# Altium PCB EPS.PcbDoc (part 3 of 11) (continued)
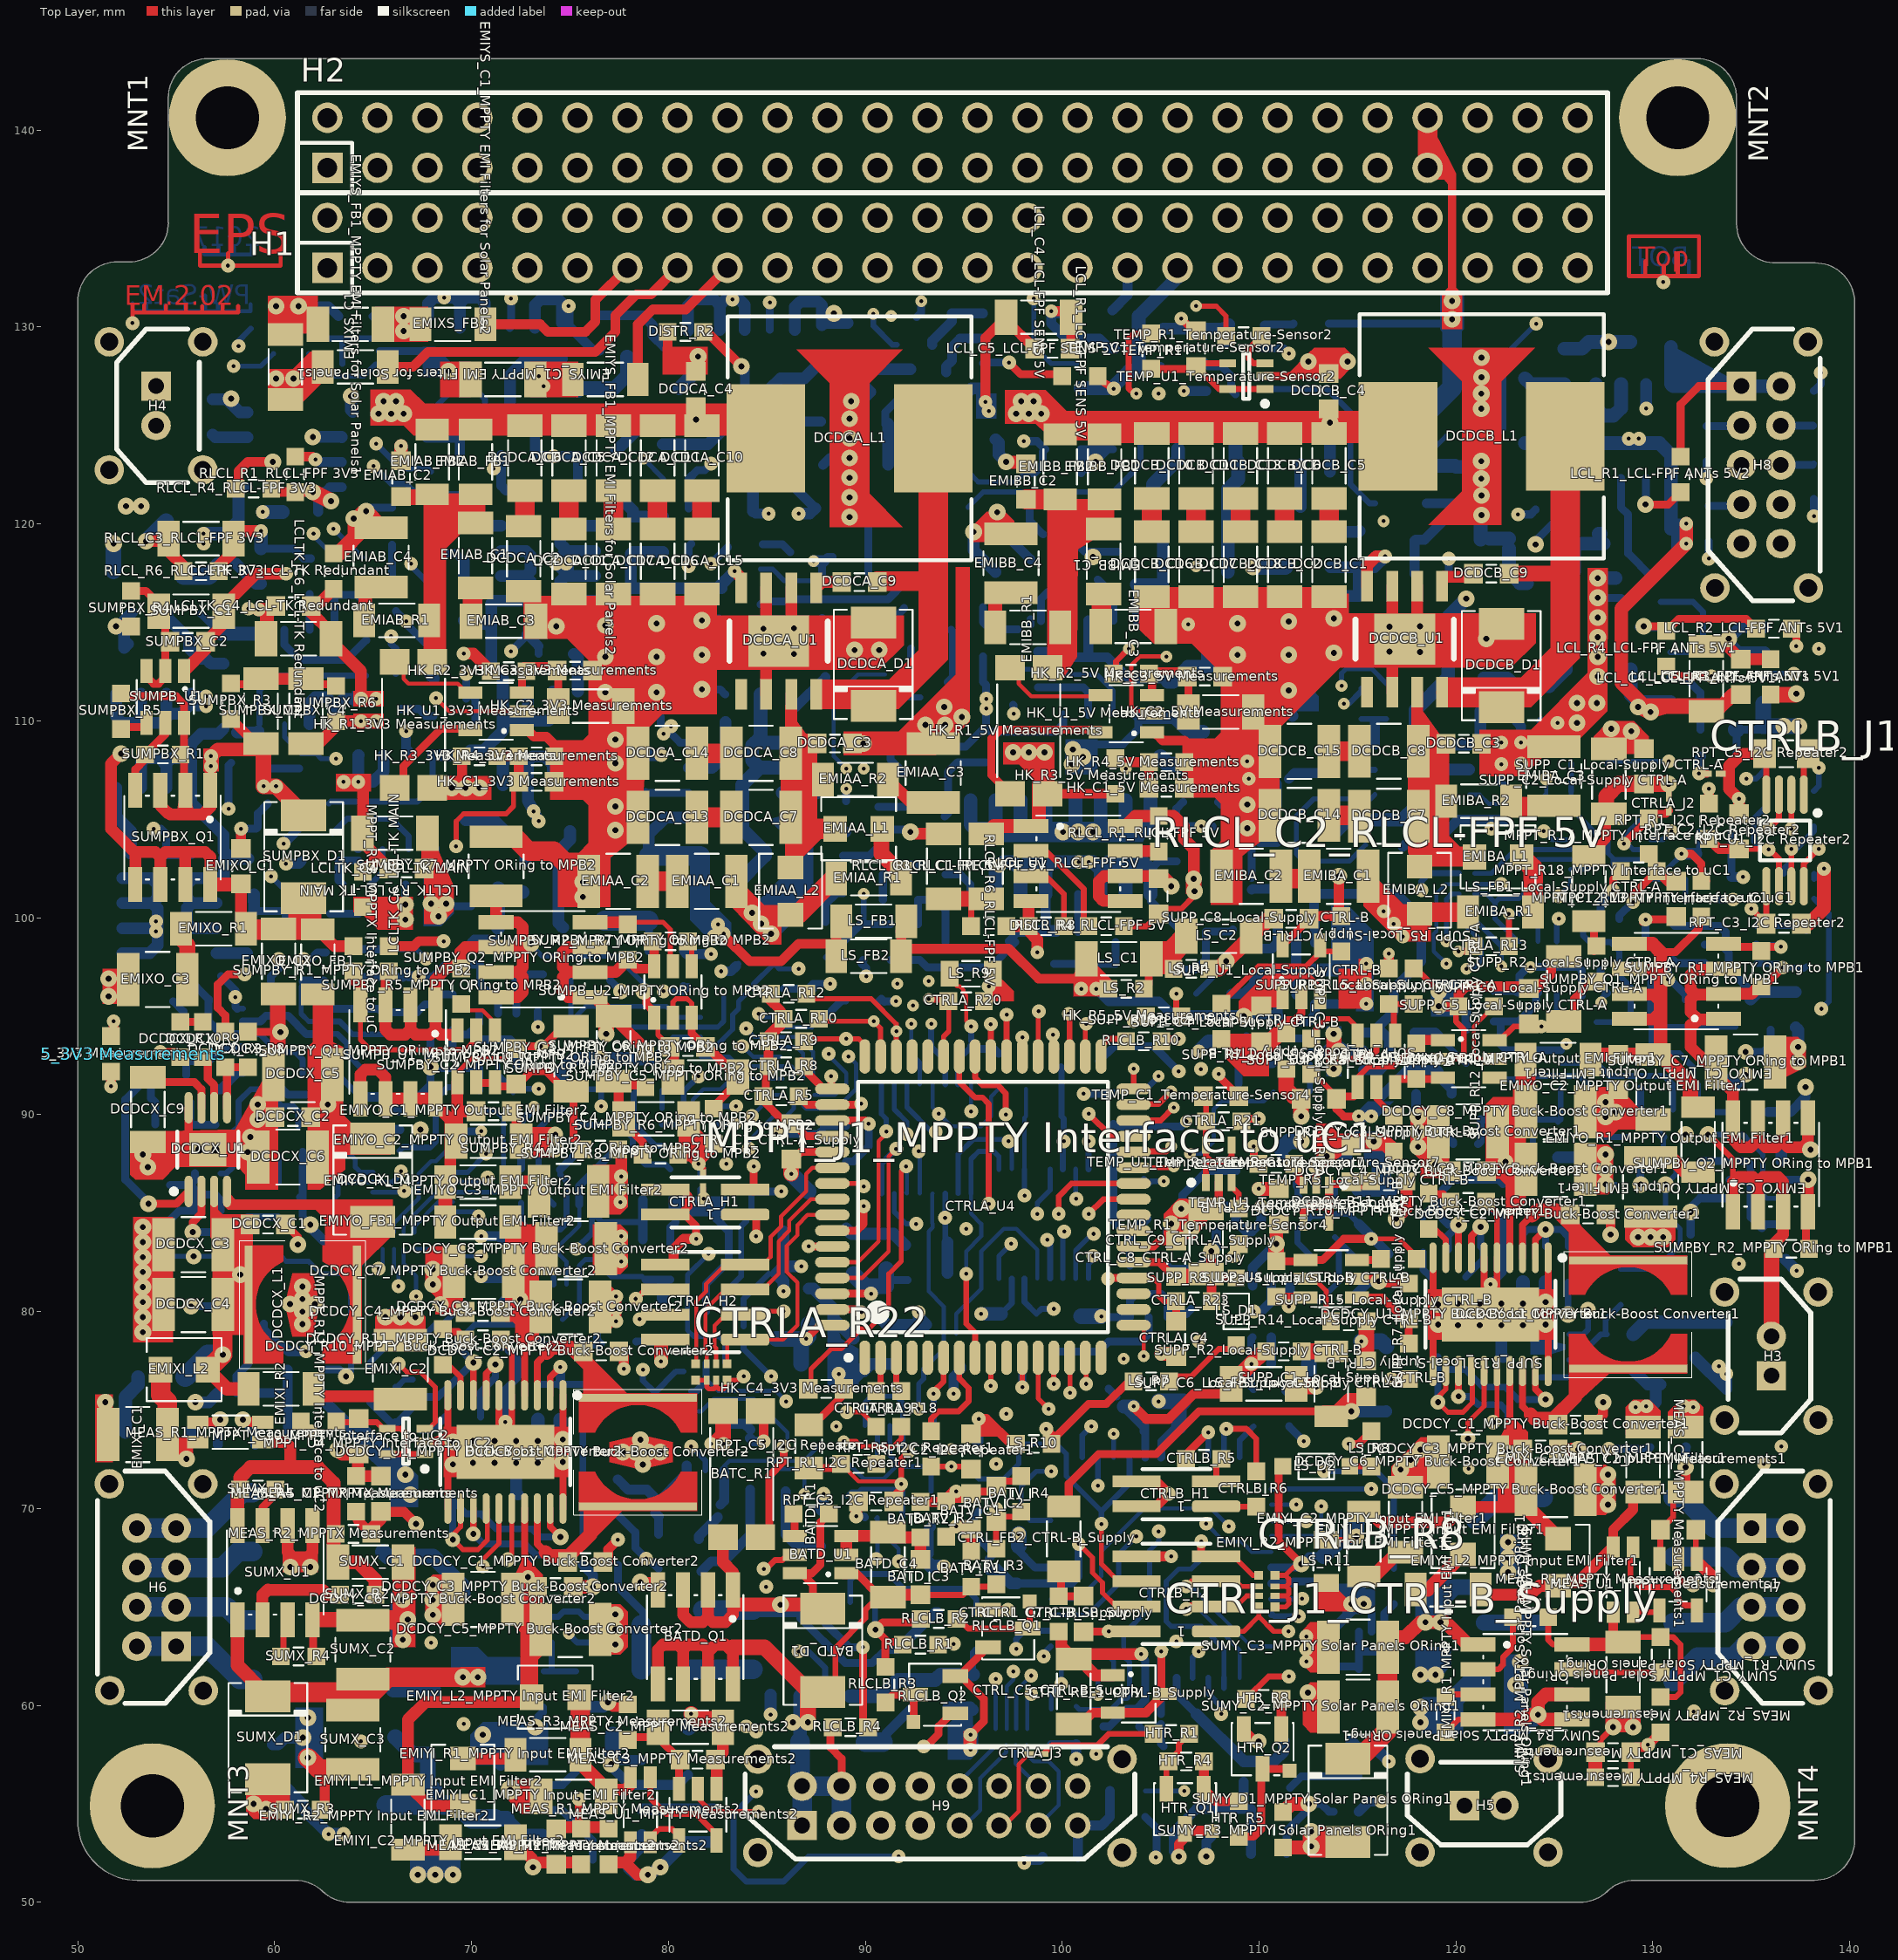
[diagram p0: Top Layer view]
## Components (designator, comment, footprint, x,y, rotation, side; value= is the part's Value field where it differs from the comment) (continued)
"SUMPBY_C7_MPPTY ORing to MPB1" "10u/25V" SMD_Capacitor_1210 134.709,92.672 r0 top (schematic designator SUMPBY_C7)
"SUMPBY_C7_MPPTY ORing to MPB2" "10u/25V" SMD_Capacitor_1210 71.247,102.616 r90 top (schematic designator SUMPBY_C7)
"SUMPBY_Q1_MPPTY ORing to MPB1" "IRF7416" SOIC-8-N_SSSGDDDD 131.191,96.774 r180 top (schematic designator SUMPBY_Q1)
"SUMPBY_Q1_MPPTY ORing to MPB2" "IRF7416" SOIC-8-N_SSSGDDDD 66.256,93.18 r270 top (schematic designator SUMPBY_Q1)
"SUMPBY_Q2_MPPTY ORing to MPB1" "IRF7416" SOIC-8-N_SSSGDDDD 135.979,87.465 r90 top (schematic designator SUMPBY_Q2)
"SUMPBY_Q2_MPPTY ORing to MPB2" "IRF7416" SOIC-8-N_SSSGDDDD 73.622,97.879 r180 top (schematic designator SUMPBY_Q2)
"SUMPBY_R1_MPPTY ORing to MPB1" "100k/1%" SMD_Resistor_0603 135.509,97.409 r90 top (schematic designator SUMPBY_R1)
"SUMPBY_R1_MPPTY ORing to MPB2" "100k/1%" SMD_Resistor_0603 64.897,97.282 r180 top (schematic designator SUMPBY_R1)
"SUMPBY_R2_MPPTY ORing to MPB1" "100k/1%" SMD_Resistor_0603 137.033,83.185 r0 top (schematic designator SUMPBY_R2)
"SUMPBY_R2_MPPTY ORing to MPB2" "100k/1%" SMD_Resistor_0603 77.94,98.768 r90 top (schematic designator SUMPBY_R2)
"SUMPBY_R3_MPPTY ORing to MPB1" "1M/1%" SMD_Resistor_0603 132.169,78.575 r90 bottom (schematic designator SUMPBY_R3)
"SUMPBY_R3_MPPTY ORing to MPB2" "1M/1%" SMD_Resistor_0603 78.829,92.291 r270 top (schematic designator SUMPBY_R3)
"SUMPBY_R4_MPPTY ORing to MPB1" "1k/1%" SMD_Resistor_0603 137.249,95.339 r270 bottom (schematic designator SUMPBY_R4)
"SUMPBY_R4_MPPTY ORing to MPB2" "1k/1%" SMD_Resistor_0603 76.543,88.227 r0 top (schematic designator SUMPBY_R4)
"SUMPBY_R5_MPPTY ORing to MPB1" "470k/1%" SMD_Resistor_0603 137.795,98.425 r90 bottom (schematic designator SUMPBY_R5)
"SUMPBY_R5_MPPTY ORing to MPB2" "470k/1%" SMD_Resistor_0603 69.469,96.52 r270 top (schematic designator SUMPBY_R5)
"SUMPBY_R6_MPPTY ORing to MPB1" "1k/1%" SMD_Resistor_0603 136.868,83.528 r270 bottom (schematic designator SUMPBY_R6)
"SUMPBY_R6_MPPTY ORing to MPB2" "1k/1%" SMD_Resistor_0603 82.296,89.408 r270 top (schematic designator SUMPBY_R6)
"SUMPBY_R7_MPPTY ORing to MPB1" "470k/1%" SMD_Resistor_0603 135.598,88.862 r0 bottom (schematic designator SUMPBY_R7)
"SUMPBY_R7_MPPTY ORing to MPB2" "470k/1%" SMD_Resistor_0603 80.099,98.806 r0 top (schematic designator SUMPBY_R7)
"SUMPBY_R8_MPPTY ORing to MPB1" "1M/1%" SMD_Resistor_0603 128.994,77.94 r270 bottom (schematic designator SUMPBY_R8)
"SUMPBY_R8_MPPTY ORing to MPB2" "1M/1%" SMD_Resistor_0603 79.591,87.973 r0 top (schematic designator SUMPBY_R8)
SUMX_C1 "1u/25V" SMD_Capacitor_1206 64.859,67.272 r0 top
SUMX_C2 "10u/35V" SMD_Capacitor_1210 64.478,62.827 r90 top
SUMX_C3 "10u/35V" SMD_Capacitor_1210 63.97,58.255 r270 top
SUMX_D1 "STPS340U" DO-214AA 59.652,58.382 r270 top
SUMX_R1 "100k/1%" SMD_Resistor_0603 59.144,70.955 r0 top
SUMX_R2 "100k/1%" SMD_Resistor_0603 64.224,65.621 r180 top
SUMX_R3 "22k/1%" SMD_Resistor_0603 61.43,54.699 r0 top
SUMX_R4 "270k/1%" SMD_Resistor_0603 61.214,62.484 r0 top
SUMX_U1 "FPF2700MX" SOIC-8-N 60.033,66.764 r90 top
"SUMY_C1_MPPTY Solar Panels ORing1" "1u/25V" SMD_Capacitor_1206 128.486,61.557 r270 top (schematic designator SUMY_C1)
"SUMY_C1_MPPTY Solar Panels ORing2" "1u/25V" SMD_Capacitor_1206 80.772,54.61 r90 bottom (schematic designator SUMY_C1)
"SUMY_C2_MPPTY Solar Panels ORing1" "10u/35V" SMD_Capacitor_1210 115.024,59.906 r180 top (schematic designator SUMY_C2)
"SUMY_C2_MPPTY Solar Panels ORing2" "10u/35V" SMD_Capacitor_1210 71.209,55.739 r90 bottom (schematic designator SUMY_C2)
"SUMY_C3_MPPTY Solar Panels ORing1" "10u/35V" SMD_Capacitor_1210 115.024,62.954 r180 top (schematic designator SUMY_C3)
"SUMY_C3_MPPTY Solar Panels ORing2" "10u/35V" SMD_Capacitor_1210 68.161,54.167 r270 bottom (schematic designator SUMY_C3)
"SUMY_D1_MPPTY Solar Panels ORing1" "STPS340U" DO-214AA 114.516,55.207 r270 top (schematic designator SUMY_D1)
"SUMY_D1_MPPTY Solar Panels ORing2" "STPS340U" DO-214AA 63.589,54.953 r180 bottom (schematic designator SUMY_D1)
"SUMY_R1_MPPTY Solar Panels ORing1" "100k/1%" SMD_Resistor_0603 130.391,62.573 r270 top (schematic designator SUMY_R1)
"SUMY_R1_MPPTY Solar Panels ORing2" "100k/1%" SMD_Resistor_0603 82.296,53.848 r90 bottom (schematic designator SUMY_R1)
"SUMY_R2_MPPTY Solar Panels ORing1" "100k/1%" SMD_Resistor_0603 123.787,64.478 r180 top (schematic designator SUMY_R2)
"SUMY_R2_MPPTY Solar Panels ORing2" "100k/1%" SMD_Resistor_0603 77.051,52.159 r180 bottom (schematic designator SUMY_R2)
"SUMY_R3_MPPTY Solar Panels ORing1" "22k/1%" SMD_Resistor_0603 111.214,53.683 r90 top (schematic designator SUMY_R3)
"SUMY_R3_MPPTY Solar Panels ORing2" "22k/1%" SMD_Resistor_0603 59.906,57.112 r90 bottom (schematic designator SUMY_R3)
"SUMY_R4_MPPTY Solar Panels ORing1" "270k/1%" SMD_Resistor_0603 119.469,59.525 r270 top (schematic designator SUMY_R4)
"SUMY_R4_MPPTY Solar Panels ORing2" "270k/1%" SMD_Resistor_0603 74.638,58.382 r180 bottom (schematic designator SUMY_R4)
"SUMY_U1_MPPTY Solar Panels ORing1" "FPF2700MX" SOIC-8-N 123.533,61.176 r0 top (schematic designator SUMY_U1)
"SUMY_U1_MPPTY Solar Panels ORing2" "FPF2700MX" SOIC-8-N 76.289,55.334 r0 bottom (schematic designator SUMY_U1)
"SUPP_C1_Local-Supply CTRL-A" "100n/50V" SMD_Capacitor_0603 129.54,107.696 r90 top (schematic designator SUPP_C1)
"SUPP_C1_Local-Supply CTRL-B" "100n/50V" SMD_Capacitor_0603 115.443,76.581 r90 top (schematic designator SUPP_C1)
"SUPP_C2_Local-Supply CTRL-A" "10u/16V" SMD_Capacitor_1206 127.762,106.934 r90 top (schematic designator SUPP_C2)
"SUPP_C2_Local-Supply CTRL-B" "10u/16V" SMD_Capacitor_1206 116.332,76.708 r90 bottom (schematic designator SUPP_C2)
"SUPP_C3_Local-Supply CTRL-A" "100n/50V" SMD_Capacitor_0603 113.03,90.805 r0 top (schematic designator SUPP_C3)
"SUPP_C3_Local-Supply CTRL-B" "100n/50V" SMD_Capacitor_0603 110.998,85.344 r270 top (schematic designator SUPP_C3)
"SUPP_C4_Local-Supply CTRL-A" "100n/50V" SMD_Capacitor_0603 114.046,96.52 r90 bottom (schematic designator SUPP_C4)
"SUPP_C4_Local-Supply CTRL-B" "100n/50V" SMD_Capacitor_0603 110.109,94.615 r270 top (schematic designator SUPP_C4)
"SUPP_C5_Local-Supply CTRL-A" "100n/50V" SMD_Capacitor_0603 123.698,95.504 r90 top (schematic designator SUPP_C5)
"SUPP_C5_Local-Supply CTRL-B" "100n/50V" SMD_Capacitor_0603 110.617,76.073 r0 bottom (schematic designator SUPP_C5)
"SUPP_C6_Local-Supply CTRL-A" "10u/16V" SMD_Capacitor_1206 125.476,96.393 r90 top (schematic designator SUPP_C6)
"SUPP_C6_Local-Supply CTRL-B" "10u/16V" SMD_Capacitor_1206 110.236,76.327 r0 top (schematic designator SUPP_C6)
"SUPP_C7_Local-Supply CTRL-A" "10u/16V" SMD_Capacitor_1206 118.491,95.885 r0 bottom (schematic designator SUPP_C7)
"SUPP_C7_Local-Supply CTRL-B" "10u/16V" SMD_Capacitor_1206 112.776,88.367 r0 bottom (schematic designator SUPP_C7)
"SUPP_C8_Local-Supply CTRL-A" "100n/50V" SMD_Capacitor_0603 111.887,101.473 r180 bottom (schematic designator SUPP_C8)
"SUPP_C8_Local-Supply CTRL-B" "100n/50V" SMD_Capacitor_0603 111.633,99.949 r180 top (schematic designator SUPP_C8)
"SUPP_C9_Local-Supply CTRL-A" "10u/16V" SMD_Capacitor_1206 116.205,89.281 r270 bottom (schematic designator SUPP_C9)
"SUPP_C9_Local-Supply CTRL-B" "10u/16V" SMD_Capacitor_1206 116.586,84.582 r90 bottom (schematic designator SUPP_C9)
"SUPP_C10_Local-Supply CTRL-A" "100n/50V" SMD_Capacitor_0603 118.872,91.059 r180 bottom (schematic designator SUPP_C10)
"SUPP_C10_Local-Supply CTRL-B" "100n/50V" SMD_Capacitor_0603 115.062,85.344 r90 bottom (schematic designator SUPP_C10)
"SUPP_R2_Local-Supply CTRL-A" "33R" SMD_Resistor_0603 127.127,97.663 r90 top (schematic designator SUPP_R2)
"SUPP_R2_Local-Supply CTRL-B" "33R" SMD_Resistor_0603 111.252,77.978 r0 top (schematic designator SUPP_R2)
"SUPP_R4_Local-Supply CTRL-A" "51R" SMD_Resistor_0603 107.696,96.139 r180 bottom (schematic designator SUPP_R4)
"SUPP_R4_Local-Supply CTRL-B" "51R" SMD_Resistor_0603 111.379,93.218 r270 top (schematic designator SUPP_R4)
"SUPP_R5_Local-Supply CTRL-A" "100k/1%" SMD_Resistor_0603 111.887,100.076 r180 bottom (schematic designator SUPP_R5)
"SUPP_R5_Local-Supply CTRL-B" "100k/1%" SMD_Resistor_0603 114.173,99.187 r270 top (schematic designator SUPP_R5)
"SUPP_R6_Local-Supply CTRL-A" "22k/1%" SMD_Resistor_0603 119.126,93.218 r90 bottom (schematic designator SUPP_R6)
"SUPP_R6_Local-Supply CTRL-B" "22k/1%" SMD_Resistor_0603 113.03,81.407 r270 bottom (schematic designator SUPP_R6)
"SUPP_R7_Local-Supply CTRL-A" "100R" SMD_Resistor_0603 112.649,92.964 r90 top (schematic designator SUPP_R7)
"SUPP_R7_Local-Supply CTRL-B" "100R" SMD_Resistor_0603 117.094,82.677 r180 top (schematic designator SUPP_R7)
"SUPP_R8_Local-Supply CTRL-A" "10k/1%" SMD_Resistor_0603 117.983,92.71 r270 top (schematic designator SUPP_R8)
"SUPP_R8_Local-Supply CTRL-B" "10k/1%" SMD_Resistor_0603 110.871,81.661 r270 top (schematic designator SUPP_R8)
"SUPP_R10_Local-Supply CTRL-A" "33k/1%" SMD_Resistor_0603 109.728,97.536 r270 bottom (schematic designator SUPP_R10)
"SUPP_R10_Local-Supply CTRL-B" "33k/1%" SMD_Resistor_0603 108.077,94.742 r270 top (schematic designator SUPP_R10)
"SUPP_R11_Local-Supply CTRL-A" "13k/1%" SMD_Resistor_0603 120.523,93.472 r90 bottom (schematic designator SUPP_R11)
"SUPP_R11_Local-Supply CTRL-B" "13k/1%" SMD_Resistor_0603 114.935,81.788 r270 bottom (schematic designator SUPP_R11)
"SUPP_R12_Local-Supply CTRL-A" "75k/1%" SMD_Resistor_0603 121.031,95.504 r180 top (schematic designator SUPP_R12)
"SUPP_R12_Local-Supply CTRL-B" "75k/1%" SMD_Resistor_0603 111.633,77.343 r0 bottom (schematic designator SUPP_R12)
"SUPP_R13_Local-Supply CTRL-A" "220R" SMD_Resistor_0603 116.586,96.52 r90 top (schematic designator SUPP_R13)
"SUPP_R13_Local-Supply CTRL-B" "220R" SMD_Resistor_0603 117.602,77.47 r270 top (schematic designator SUPP_R13)
"SUPP_R14_Local-Supply CTRL-A" "100R" SMD_Resistor_0603 116.84,89.027 r270 top (schematic designator SUPP_R14)
"SUPP_R14_Local-Supply CTRL-B" "100R" SMD_Resistor_0603 114.554,79.502 r0 top (schematic designator SUPP_R14)
"SUPP_R15_Local-Supply CTRL-A" "10k" SMD_Resistor_0603 117.856,96.52 r270 top (schematic designator SUPP_R15)
"SUPP_R15_Local-Supply CTRL-B" "10k" SMD_Resistor_0603 117.602,80.518 r270 top (schematic designator SUPP_R15)
"SUPP_U1_Local-Supply CTRL-A" "LT1761ES5-SD#TRMPBF" SOT23-5 111.887,97.409 r90 bottom (schematic designator SUPP_U1)
"SUPP_U1_Local-Supply CTRL-B" "LT1761ES5-SD#TRMPBF" SOT23-5 112.141,97.282 r90 top (schematic designator SUPP_U1)
"SUPP_U2_Local-Supply CTRL-A" "LT1761ES5-SD#TRMPBF" SOT23-5 116.586,93.218 r0 bottom (schematic designator SUPP_U2)
"SUPP_U2_Local-Supply CTRL-B" "LT1761ES5-SD#TRMPBF" SOT23-5 112.903,85.09 r270 bottom (schematic designator SUPP_U2)
"SUPP_U3_Local-Supply CTRL-A" "TPS2551DBVx" SOT23-6 120.65,92.837 r0 top (schematic designator SUPP_U3)
"SUPP_U3_Local-Supply CTRL-B" "TPS2551DBVx" SOT23-6 110.617,80.01 r270 bottom (schematic designator SUPP_U3)
"SUPP_U4_Local-Supply CTRL-A" "TPS3813xxxDBV" SOT23-6 115.951,92.71 r270 top (schematic designator SUPP_U4)
"SUPP_U4_Local-Supply CTRL-B" "TPS3813xxxDBV" SOT23-6 113.665,81.661 r180 top (schematic designator SUPP_U4)
TEMP_C1_Temperature-Sensor1 "100n/50V" SMD_Capacitor_0603 64.135,130.556 r180 bottom (schematic designator TEMP_C1)
TEMP_C1_Temperature-Sensor2 "100n/50V" SMD_Capacitor_0603 106.807,128.905 r90 top (schematic designator TEMP_C1)
TEMP_C1_Temperature-Sensor3 "100n/50V" SMD_Capacitor_0603 73.787,60.833 r270 bottom (schematic designator TEMP_C1)
TEMP_C1_Temperature-Sensor4 "100n/50V" SMD_Capacitor_0603 108.077,90.932 r0 top (schematic designator TEMP_C1)
TEMP_C1_Temperature-Sensor5 "100n/50V" SMD_Capacitor_0603 113.665,62.865 r90 bottom (schematic designator TEMP_C1)
TEMP_C1_Temperature-Sensor6 "100n/50V" SMD_Capacitor_0603 108.458,93.726 r180 bottom (schematic designator TEMP_C1)
TEMP_C1_Temperature-Sensor7 "100n/50V" SMD_Capacitor_0603 114.681,87.503 r90 top (schematic designator TEMP_C1)
TEMP_R1 "100R/1%" SMD_Resistor_0603 104.521,128.778 r90 top
TEMP_R1_Temperature-Sensor1 "1k/1%" SMD_Resistor_0603 60.833,128.651 r180 bottom (schematic designator TEMP_R1)
TEMP_R1_Temperature-Sensor2 "1k/1%" SMD_Resistor_0603 109.22,129.54 r180 top (schematic designator TEMP_R1)
TEMP_R1_Temperature-Sensor3 "1k/1%" SMD_Resistor_0603 94.869,78.105 r90 bottom (schematic designator TEMP_R1)
TEMP_R1_Temperature-Sensor4 "1k/1%" SMD_Resistor_0603 108.966,84.328 r270 top (schematic designator TEMP_R1)
TEMP_R1_Temperature-Sensor5 "1k/1%" SMD_Resistor_0603 116.84,66.04 r90 bottom (schematic designator TEMP_R1)
TEMP_R1_Temperature-Sensor6 "1k/1%" SMD_Resistor_0603 111.633,91.186 r180 bottom (schematic designator TEMP_R1)
TEMP_R1_Temperature-Sensor7 "1k/1%" SMD_Resistor_0603 110.871,87.503 r180 top (schematic designator TEMP_R1)
TEMP_R2 "100R/1%" SMD_Resistor_0603 75.311,60.833 r270 bottom
TEMP_R4 "100R/1%" SMD_Resistor_0603 59.69,129.921 r180 bottom
"TEMP_R5_Local-Supply CTRL-A" "100R/1%" SMD_Resistor_0603 108.966,90.678 r270 bottom (schematic designator TEMP_R5)
"TEMP_R5_Local-Supply CTRL-B" "100R/1%" SMD_Resistor_0603 116.586,86.614 r0 top (schematic designator TEMP_R5)
TEMP_U1_Temperature-Sensor1 "LMT87" SC70-LT5_N 64.389,128.778 r180 bottom (schematic designator TEMP_U1)
TEMP_U1_Temperature-Sensor2 "LMT87" SC70-LT5_N 109.347,127.508 r180 top (schematic designator TEMP_U1)
TEMP_U1_Temperature-Sensor3 "LMT87" SC70-LT5_N 75.019,63.843 r180 bottom (schematic designator TEMP_U1)
TEMP_U1_Temperature-Sensor4 "LMT87" SC70-LT5_N 107.95,87.503 r90 top (schematic designator TEMP_U1)
TEMP_U1_Temperature-Sensor5 "LMT87" SC70-LT5_N 115.712,62.799 r270 bottom (schematic designator TEMP_U1)
TEMP_U1_Temperature-Sensor6 "LMT87" SC70-LT5_N 111.633,93.218 r180 bottom (schematic designator TEMP_U1)
TEMP_U1_Temperature-Sensor7 "LMT87" SC70-LT5_N 112.903,85.471 r270 top (schematic designator TEMP_U1)

## Footprints (in the part's own frame and the unit in brackets; to place one, negate y for a bottom-side part, rotate by r counter-clockwise, add the part's x,y. Pads: shape width x height; smd on the part's side, far side on the other; paste and mask are expansions set on the pad)
2way_LP [mil] "2 way low power net tie junction"
  rrect5% 20x12 smd paste-100: 1(-14,0) 2(14,0)
64A_N [mm] "Thin QFP, 64-Leads, Body 14x14mm, Pitch 0.8mm, IPC Medium Density"
  oval 1.75x0.55 smd: 1(-7.65,6) 2(-7.65,5.2) 3(-7.65,4.4) 4(-7.65,3.6) 5(-7.65,2.8) 6(-7.65,2) 7(-7.65,1.2) 8(-7.65,0.4) 9(-7.65,-0.4) 10(-7.65,-1.2) 11(-7.65,-2) 12(-7.65,-2.8) 13(-7.65,-3.6) 14(-7.65,-4.4) 15(-7.65,-5.2) 16(-7.65,-6) 33(7.65,-6) 34(7.65,-5.2) 35(7.65,-4.4) 36(7.65,-3.6) 37(7.65,-2.8) 38(7.65,-2) 39(7.65,-1.2) 40(7.65,-0.4) 41(7.65,0.4) 42(7.65,1.2) 43(7.65,2) 44(7.65,2.8) 45(7.65,3.6) 46(7.65,4.4) 47(7.65,5.2) 48(7.65,6)
  oval 0.55x1.75 smd: 17(-6,-7.65) 18(-5.2,-7.65) 19(-4.4,-7.65) 20(-3.6,-7.65) 21(-2.8,-7.65) 22(-2,-7.65) 23(-1.2,-7.65) 24(-0.4,-7.65) 25(0.4,-7.65) 26(1.2,-7.65) 27(2,-7.65) 28(2.8,-7.65) 29(3.6,-7.65) 30(4.4,-7.65) 31(5.2,-7.65) 32(6,-7.65) 49(6,7.65) 50(5.2,7.65) 51(4.4,7.65) 52(3.6,7.65) 53(2.8,7.65) 54(2,7.65) 55(1.2,7.65) 56(0.4,7.65) 57(-0.4,7.65) 58(-1.2,7.65) 59(-2,7.65) 60(-2.8,7.65) 61(-3.6,7.65) 62(-4.4,7.65) 63(-5.2,7.65) 64(-6,7.65)
  silkscreen extent -7.77,-6.35 6.35,6.95, body extent -8.12,-8.12 8.12,8.12, height 1.35
Coilcraft_MSS1260 [mm] "Coilcraft Shielded Power Inductors – MSS1260 Series."
  rect 5.5x4 smd: 1(0,4.25) 2(0,-4.25)
  silkscreen extent -6.2,-6.2 6.2,6.2, body extent -6.15,-6.15 6.15,6.15, height 6.15
Coilcraft_MSS6132 [mm] "Coilcraft Shielded Power Inductors – MSS6132 Series."
  rect 6x0.4 smd: 1(0,2.75) 2(0,-2.75)
  Top Layer region: 3,-1 2.185,-0.993 1.521,-1.856 0.544,-2.337 -0.544,-2.337 -1.521,-1.856 -2.185,-0.993 -2.185,-0.993 -3,-1 -3,-3 3,-3
  Top Layer region: -3,1 -2.185,0.993 -1.521,1.856 -0.544,2.337 0.544,2.337 1.521,1.856 2.185,0.993 2.185,0.993 3,1 3,3 -3,3
  silkscreen extent -3.25,-3.2 3.25,3.2, body extent -3,-2.97 3,3, height 3.2
Connfly_DS1031-04-2 [mm] "Connfly, male, 1.27mm, 2x2pin, SMT, vertical"
  rrect50% 0.6x2.45 smd: 1(0,0)
  rect 0.6x2.45 smd: 2(0,4.05) 3(1.27,0) 4(1.27,4.05)
  silkscreen extent -0.65,0.3 1.9,3.75, body extent -0.65,-0.75 1.89,4.75, height 4.47
Connfly_DS1031-08-2 [mm] "Connfly, male, 1.27mm, 2x4pin, SMT, vertical"
  rrect50% 0.6x2.45 smd: 1(0,0)
  rect 0.6x2.45 smd: 2(0,4.05) 3(1.27,0) 4(1.27,4.05) 5(2.54,0) 6(2.54,4.05) 7(3.81,0) 8(3.81,4.05)
  silkscreen extent -0.65,0.3 4.45,3.75, body extent -0.64,-0.75 4.44,4.75, height 4.47
DDA-9 [mm] "Created for TPS5430. 9-pin package with thermal pad."
  rect 1.55x0.6 smd: 1(-2.7,1.905) 2(-2.7,0.635) 3(-2.7,-0.635) 4(-2.7,-1.905) 5(2.7,-1.905) 6(2.7,-0.635) 7(2.7,0.635) 8(2.7,1.905)
  rect 2.6x3.1 smd: 9(0,0)
  silkscreen extent -1,-2.5 1,2.49, body extent -3.1,-2.5 3.1,2.5, height 1.58
DO-214AA [mm] "JEDEC standard. SMB."
  rect 1.62x2.3 smd: A(2.14,-0.01) K(-2.08,-0.01)
  silkscreen extent -2.75,-2 2.8,2, body extent -2.76,-1.98 2.82,1.96, height 2.65
Harwin_Datamate_L-Tek_M80-8531642 [mm] "Harwin Datamate L-Teck M80-8531642, 2mm pitch, 2x8pin."
  round 1.5 hole 0.9: 0(-2.25,-1.375) 0(-2.25,3.375) 0(16.25,3.375) 0(16.25,-1.375)
  rect 1.5x1.5 hole 0.8: 1(0,0)
  round 1.5 hole 0.8: 2(2,0) 3(4,0) 4(6,0) 9(0,2) 10(2,2) 11(4,2) 12(6,2)
  round 1.3 hole 0.8: 5(8,0) 6(10,0) 7(12,0) 8(14,0) 13(8,2) 14(10,2) 15(12,2) 16(14,2)
  silkscreen extent -2.9,-1.7 16.9,4, body extent -2.95,-1.78 16.95,4.07, height 8.3
Harwin_Datamate_L-Tek_M80-8670805 [mm] "Harwin Datamate L-Teck M80-8670805, 2mm pitch, 2x4pin."
  round 1.5 hole 0.9: 0(-2.25,3.375) 0(-2.25,-1.375) 0(8.25,-1.35) 0(8.25,3.4)
  rect 1.5x1.5 hole 0.8: 1(0,0)
  round 1.5 hole 0.8: 2(2,0) 3(4,0) 4(6,0) 5(0,2) 6(2,2) 7(4,2) 8(6,2)
  silkscreen extent -2.9,-1.7 8.9,4, body extent -2.95,-1.77 8.95,4.08, height 8.3
Harwin_Datamate_L-Tek_M80-8671005 [mm] "Harwin Datamate L-Teck M80-8671005, 2mm pitch, 2x5pin."
  round 1.5 hole 0.9: 0(-2.25,3.375) 0(-2.25,-1.375) 0(10.25,-1.35) 0(10.25,3.4)
  rect 1.5x1.5 hole 0.8: 1(0,0)
  round 1.5 hole 0.8: 2(2,0) 3(4,0) 4(6,0) 5(8,0) 6(0,2) 7(2,2) 8(4,2) 9(6,2) 10(8,2)
  silkscreen extent -2.9,-1.7 10.9,4, body extent -2.94,-1.78 10.96,4.07, height 8.3
Harwin_Datamate_L-Tek_M80-8770222 [mm] "Harwin Datamate L-Teck M80-8770222, 2mm pitch, 1x2pin."
  round 1.5 hole 0.9: 0(-2.25,-2.375) 0(-2.25,2.375) 0(4.25,-2.375) 0(4.25,2.375)
  rect 1.5x1.5 hole 0.8: 1(0,0)
  round 1.5 hole 0.8: 2(2,0)
  silkscreen extent -2.9,-2 4.9,2.2, body extent -2.95,-1.77 4.95,2.08, height 8.3
LCC1-4_BEC [mm] "Hermetic Leadless Chip Carrier Number 1, 4 Pads, Base-Emitter-Collector"
  rect 0.7x1.3 smd: B(-0.95,0.3) C(0,2.325) E(0.95,0.3)
  rect 0.7x0.7 smd: Shield(-1.375,2.425)
  silkscreen extent -1.58,0 1.58,2.65, body extent -1.53,0.05 1.53,2.6, height 1.4
LCC1-4_GSD [mm] "Hermetic Leadless Chip Carrier Number 1, 4 Pads, Gate-Source-Dren"
  rect 0.7x1.3 smd: D(0,2.325) G(-0.95,0.3) S(0.95,0.3)
  rect 0.7x0.7 smd: Shield(-1.375,2.425)
  silkscreen extent -1.58,0 1.58,2.65, body extent -1.53,0.05 1.52,2.6, height 1.4
LT-FE-20-EPV-CA_N [mm] "SOP, 20-Leads, Body 6.6x4.5mm, Pitch 0.65mm, Thermal Pad 4.95x2.74mm, IPC Medium Density"
  oval 1.55x0.35 smd: 1(-2.875,2.925) 2(-2.875,2.275) 3(-2.875,1.625) 4(-2.875,0.975) 5(-2.875,0.325) 6(-2.875,-0.325) 7(-2.875,-0.975) 8(-2.875,-1.625) 9(-2.875,-2.275) 10(-2.875,-2.925) 11(2.875,-2.925) 12(2.875,-2.275) 13(2.875,-1.625) 14(2.875,-0.975) 15(2.875,-0.325) 16(2.875,0.325) 17(2.875,0.975) 18(2.875,1.625) 19(2.875,2.275) 20(2.875,2.925)
  rect 2.74x4.95 smd: 21(0,0)
  silkscreen extent -3,-3.3 1.7,3.78, body extent -3.27,-3.3 3.27,3.3, height 1.2
LT-MS8E-8-1880X1680TP_N [mm] "SOP, 8-Leads, Body 3x3mm, Pitch 0.65mm, Thermal Pad 1.88x1.68mm, IPC Medium Density"
  oval 1.6x0.4 smd: 1(-2.125,0.975) 2(-2.125,0.325) 3(-2.125,-0.325) 4(-2.125,-0.975) 5(2.125,-0.975) 6(2.125,-0.325) 7(2.125,0.325) 8(2.125,0.975)
  rect 1.68x1.88 smd: 9(0,0)
  silkscreen extent -2.25,-1.55 0.92,1.85, body extent -2.45,-1.5 2.45,1.5, height 1.15
MSOP-8 [mm] "MSOP, 8-Leads, Body 3x3mm, Pitch 0.65mm, IPC High Density"
  oval 1.5x0.45 smd: 1(-2.025,0.975) 2(-2.025,0.325) 3(-2.025,-0.325) 4(-2.025,-0.975) 5(2.025,-0.975) 6(2.025,-0.325) 7(2.025,0.325) 8(2.025,0.975)
  silkscreen extent -2.15,-1.6 0.87,1.87, body extent -2.47,-1.55 2.47,1.55, height 1.1
MUB10A_L [mm] "TSSOP, 10-Leads, Body 3x3mm, Pitch 0.5mm, IPC High Density"
  oval 1.45x0.25 smd: 1(-2.025,1) 2(-2.025,0.5) 3(-2.025,0) 4(-2.025,-0.5) 5(-2.025,-1) 6(2.025,-1) 7(2.025,-0.5) 8(2.025,0) 9(2.025,0.5) 10(2.025,1)
  silkscreen extent -2.15,-1.55 0.9,1.8, body extent -2.5,-1.5 2.5,1.5, height 1.1
PC-104_PcbMntHole_M3#1 [mm] "PCB Mounting Hole for PC-104 standard. Based on Pumpkin's Kit."
  round 5.95 hole 3.2: 1(0,0)
PC-104_PcbMntHole_M3#2 [mm] "PCB Mounting Hole for PC-104 standard. Based on Pumpkin's Kit."
  round 6.35 hole 3.2: 1(0,0)
Samtec_ESQ-126-39-G-D [mm] "Samtec ESQ Series Header. ESQ-126-39-G-D. PC-104 Stack."
  rect 1.55x1.55 hole 1: 1(0,0)
  round 1.55 hole 1: 2(0,2.54) 3(2.54,0) 4(2.54,2.54) 5(5.08,0) 6(5.08,2.54) 7(7.62,0) 8(7.62,2.54) 9(10.16,0) 10(10.16,2.54) 11(12.7,0) 12(12.7,2.54) 13(15.24,0) 14(15.24,2.54) 15(17.78,0) 16(17.78,2.54) 17(20.32,0) 18(20.32,2.54) 19(22.86,0) 20(22.86,2.54) 21(25.4,0) 22(25.4,2.54) 23(27.94,0) 24(27.94,2.54) 25(30.48,0) 26(30.48,2.54) 27(33.02,0) 28(33.02,2.54) 29(35.56,0) 30(35.56,2.54) 31(38.1,0) 32(38.1,2.54) 33(40.64,0) 34(40.64,2.54) 35(43.18,0) 36(43.18,2.54) 37(45.72,0) 38(45.72,2.54) 39(48.26,0) 40(48.26,2.54) 41(50.8,0) 42(50.8,2.54) 43(53.34,0) 44(53.34,2.54) 45(55.88,0) 46(55.88,2.54) 47(58.42,0) 48(58.42,2.54) 49(60.96,0) 50(60.96,2.54) 51(63.5,0) 52(63.5,2.54)
  silkscreen extent -1.52,-1.27 65.02,3.81, body extent -1.52,-1.27 65.02,3.81, height 11.05
SC70-LT5_N [mm] "SOT353, 5-Leads, Body 2x1.3mm, Pitch 0.65mm, Lead Span 2.1mm, IPC Medium Density"
  rect 0.85x0.4 smd: 1(-0.95,0.65) 2(-0.95,0) 3(-0.95,-0.65) 4(0.95,-0.65) 5(0.95,0.65)
  silkscreen extent -1.07,-1.15 0.15,1.52, body extent -0.67,-1.12 0.68,1.13, height 1.1
SMD_Capacitor_0603 [mm] "SMD Capacitor, Inch 0603, Metric 1608."
  rect 0.95x1 smd: 1(-0.9,0) 2(0.9,0)
  silkscreen extent -0.25,-0.45 0.25,0.45, body extent -0.8,-0.4 0.8,0.4, height 0.3
SMD_Capacitor_0805 [mm] "SMD Capacitor, Inch 0805, Metric 2012."
  rect 1.15x1.45 smd: 1(-1.1,0) 2(1.1,0)
  silkscreen extent -0.35,-0.68 0.35,0.68, body extent -1,-0.62 1,0.63, height 0.78
SMD_Capacitor_1206 [mm] "SMD Capacitor, Inch 1206, Metric 3216."
  rect 1.15x1.8 smd: 1(-1.65,0) 2(1.65,0)
  silkscreen extent -0.9,-0.85 0.9,0.85, body extent -1.6,-0.8 1.6,0.8, height 1
SMD_Capacitor_1210 [mm] "SMD Capacitor, Inch 1210, Metric 3225."
  rect 1.15x2.7 smd: 1(-1.5,0) 2(1.5,0)
  silkscreen extent -0.6,-1.4 0.6,1.4, body extent -2,-1.24 2,1.24, height 1.7
SMD_FerriteBead_1206 [mm] "SMD Ferrite Bead, Inch 1206, Metric 3216."
  rect 1.1x1.7 smd: 1(-1.65,0) 2(1.65,0)
  silkscreen extent -0.9,-0.85 0.9,0.85, body extent -1.6,-0.8 1.6,0.8, height 1.1
SMD_Resistor-Shunt_1206 [mm] "SMD Shunt Resistor, Inch 1206, Metric 3216."
  rect 1.1x0.65 smd: 1(-1.65,0.5) 2(-1.65,-0.5) 3(1.65,-0.5) 4(1.65,0.5)
  silkscreen extent -0.9,-0.85 0.9,0.85, body extent -1.6,-0.8 1.6,0.8, height 0.7
SMD_Resistor-shunt_2512 [mm] "SMD Shunt Resistor, Inch 2512, Metric 6332."
  rect 1.3x1.5 smd: 1(-3.2,0.95) 2(-3.2,-0.95) 3(3.2,-0.95) 4(3.2,0.95)
  silkscreen extent -2.35,-1.6 2.35,1.6, body extent -3.2,-1.6 3.2,1.6, height 0.8
SMD_Resistor_0603 [mm] "SMD Resistor, Inch 0603, Metric 1608."
  rect 0.9x0.9 smd: 1(-0.9,0) 2(0.9,0)
  silkscreen extent -0.25,-0.45 0.25,0.45, body extent -0.8,-0.45 0.8,0.45, height 0.5
SMD_Resistor_0805 [mm] "SMD Resistor, Inch 0805, Metric 2012."
  rect 0.9x1.3 smd: 1(-1.1,0) 2(1.1,0)
  silkscreen extent -0.45,-0.65 0.45,0.65, body extent -1,-0.62 1,0.63, height 0.5
SMD_Resistor_1206 [mm] "SMD Resistor, Inch 1206, Metric 3216."
  rect 1.1x1.7 smd: 1(-1.65,0) 2(1.65,0)
  silkscreen extent -0.9,-0.85 0.9,0.85, body extent -1.6,-0.8 1.6,0.8, height 0.8
SMD_RESISTOR_ARRAY_YC124 [mm]
  rect 0.45x0.45 smd: 1(0,-0.826) 4(1.6,-0.826) 5(1.6,0) 8(0,0)
  rect 0.3x0.45 smd: 2(0.559,-0.826) 3(1.041,-0.826) 6(1.041,0) 7(0.559,0)
  body extent -0.2,-0.91 1.8,0.09, height 0.45
SOD323 [mm] "JEDEC standard."
  rect 0.8x0.6 smd: A(1.25,0) K(-1.25,0)
  silkscreen extent -0.65,-0.65 0.65,0.65, body extent -1.3,-0.67 1.3,0.68, height 1.1
SOD-123 [mm] "JEDEC standard."
  rect 0.85x0.85 smd: A(1.7,0) K(-1.7,0)
  silkscreen extent -0.9,-0.65 0.9,0.65, body extent -1.85,-0.8 1.85,0.8, height 1.27
SOIC-8-N [mm] "JEDEC standard. SO-8."
  rect 1.78x0.72 smd: 1(-2.42,1.92) 2(-2.42,0.65) 3(-2.42,-0.62) 4(-2.42,-1.89) 5(2.36,-1.89) 6(2.36,-0.62) 7(2.36,0.65) 8(2.36,1.92)
  silkscreen extent -2.15,-2.45 2.11,2.45, body extent -3.02,-2.44 2.98,2.46, height 1.7
SOIC-8-N_SSSGDDDD [mm] "JEDEC standard. SO-8. SSSGDDDD."
  rect 1.78x0.72 smd: D(2.38,1.91) D(2.38,-0.63) D(2.38,0.64) D(2.38,-1.9) G(-2.4,-1.9) S(-2.4,1.91) S(-2.4,-0.63) S(-2.4,0.64)
  silkscreen extent -2.13,-2.46 2.13,2.44, body extent -3,-2.45 3,2.45, height 1.7
SOT23-3 [mm] "JEDEC TO-236AB package."
  rect 1.22x0.62 smd: 1(-1.31,0.95) 2(-1.31,-0.95) 3(1.31,0)
  silkscreen extent -0.85,-1.45 0.85,1.45, body extent -1.4,-1.45 1.4,1.45, height 1.3
SOT23-5 [mm] "JEDEC MO-178AA package."
  rect 1.22x0.62 smd: 1(-1.31,0.95) 2(-1.31,0) 3(-1.31,-0.95) 4(1.31,-0.95) 5(1.31,0.95)
  silkscreen extent -0.85,-1.45 0.85,1.45, body extent -1.4,-1.45 1.4,1.45, height 1.45
SOT23-6 [mm] "JEDEC MO-178AB package."
  rect 1.22x0.62 smd: 1(-1.31,0.95) 2(-1.31,0) 3(-1.31,-0.95) 4(1.31,-0.95) 5(1.31,0) 6(1.31,0.95)
  silkscreen extent -0.85,-1.45 0.85,1.45, body extent -1.4,-1.45 1.4,1.45, height 1.45
TDK_ACM7060 [mm] "TDK Common Mode Filters ACM7060 Series"
  rect 2.5x1.5 smd: 1(-3.3,1.5) 2(-3.3,-1.5) 3(3.3,-1.5) 4(3.3,1.5)
  silkscreen extent -3.5,-3 3.5,3, body extent -3.5,-3 3.5,3, height 3.5
TQFP-44 [mm]
  oval 1.45x0.55 smd: 1(-5.591,4.005) 2(-5.591,3.205) 3(-5.591,2.405) 4(-5.591,1.605) 5(-5.591,0.805) 6(-5.591,0.005) 7(-5.591,-0.795) 8(-5.591,-1.595) 9(-5.591,-2.395) 10(-5.591,-3.195) 11(-5.591,-3.995) 23(5.609,-3.995) 24(5.609,-3.195) 25(5.609,-2.395) 26(5.609,-1.595) 27(5.609,-0.795) 28(5.609,0.005) 29(5.609,0.805) 30(5.609,1.605) 31(5.609,2.405) 32(5.609,3.205) 33(5.609,4.005)
  oval 0.55x1.45 smd: 12(-3.991,-5.595) 13(-3.191,-5.595) 14(-2.391,-5.595) 15(-1.591,-5.595) 16(-0.791,-5.595) 17(0.009,-5.595) 18(0.809,-5.595) 19(1.609,-5.595) 20(2.409,-5.595) 21(3.209,-5.595) 22(4.009,-5.595) 34(4.009,5.605) 35(3.209,5.605) 36(2.409,5.605) 37(1.609,5.605) 38(0.809,5.605) 39(0.009,5.605) 40(-0.791,5.605) 41(-1.591,5.605) 42(-2.391,5.605) 43(-3.191,5.605) 44(-3.991,5.605)
  silkscreen extent -5.72,-4.45 4.46,4.95, body extent -6,-6 6,6, height 1.07
TSSOP8_L [mm] "TSSOP, 8-Leads, Pitch 0.65mm, IPC High Density"
  oval 1.95x0.4 smd: 1(-2.325,2.222) 2(-2.325,1.588) 3(-2.325,0.953) 4(-2.325,0.318) 5(2.325,0.317) 6(2.325,0.952) 7(2.325,1.587) 8(2.325,2.222)
  silkscreen extent -1.52,0 1.02,3.05, body extent -2.5,-0.28 2.5,2.82, height 1.1
TSSOP16 [mm] "Shrink Small Outline; 16 Leads; Body Width 4.4 mm; Pitch 0.65 mm"
  rect 0.3x1.65 smd: 1(-2.275,-2.775) 2(-1.625,-2.775) 3(-0.975,-2.775) 4(-0.325,-2.775) 5(0.325,-2.775) 6(0.975,-2.775) 7(1.625,-2.775) 8(2.275,-2.775) 9(2.275,2.775) 10(1.625,2.775) 11(0.975,2.775) 12(0.325,2.775) 13(-0.325,2.775) 14(-0.975,2.775) 15(-1.625,2.775) 16(-2.275,2.775)
  silkscreen extent -3.1,-2.9 2.55,1.55, body extent -2.5,-3.2 2.5,3.2, height 1.1
Vishay_IHLP1212 [mm] "Vishay Shielded Power Inductor - IHLP1212 Series."
  rect 1.2x1.3 smd: 1(-1.2,0) 2(1.2,0)
  silkscreen extent -1.9,-1.6 1.9,1.6, body extent -1.83,-1.5 1.83,1.5, height 2.02

## Part data
BATC_C1 BATC_C4 BATD_C3 DCDCA_C3 DCDCA_C4 DCDCB_C3 DCDCB_C4 RBL_C2 RBL_C4 "RLCL_C3_DCDC RLCL" "RLCL_C3_VBAT RLCL" "RLCL_C4_DCDC RLCL" "RLCL_C4_VBAT RLCL" RLCLB_C4 SUMPBX_C2 "SUMPBY_C2_MPPTY ORing to MPB1" "SUMPBY_C2_MPPTY ORing to MPB2" "SUMPBY_C6_MPPTY ORing to MPB1" "SUMPBY_C6_MPPTY ORing to MPB2": library part Cer_GCJ188R71H104KA12D, "Ceramic Cap Murata Automotive 100n/50V X7R 0603", Manufacturer=Murata, ManufacturerPartNumber=GCJ188R71H104KA12D, Package=0603